# Altium PCB InsaneKeyboard.PcbDoc (part 2 of 3) (continued)
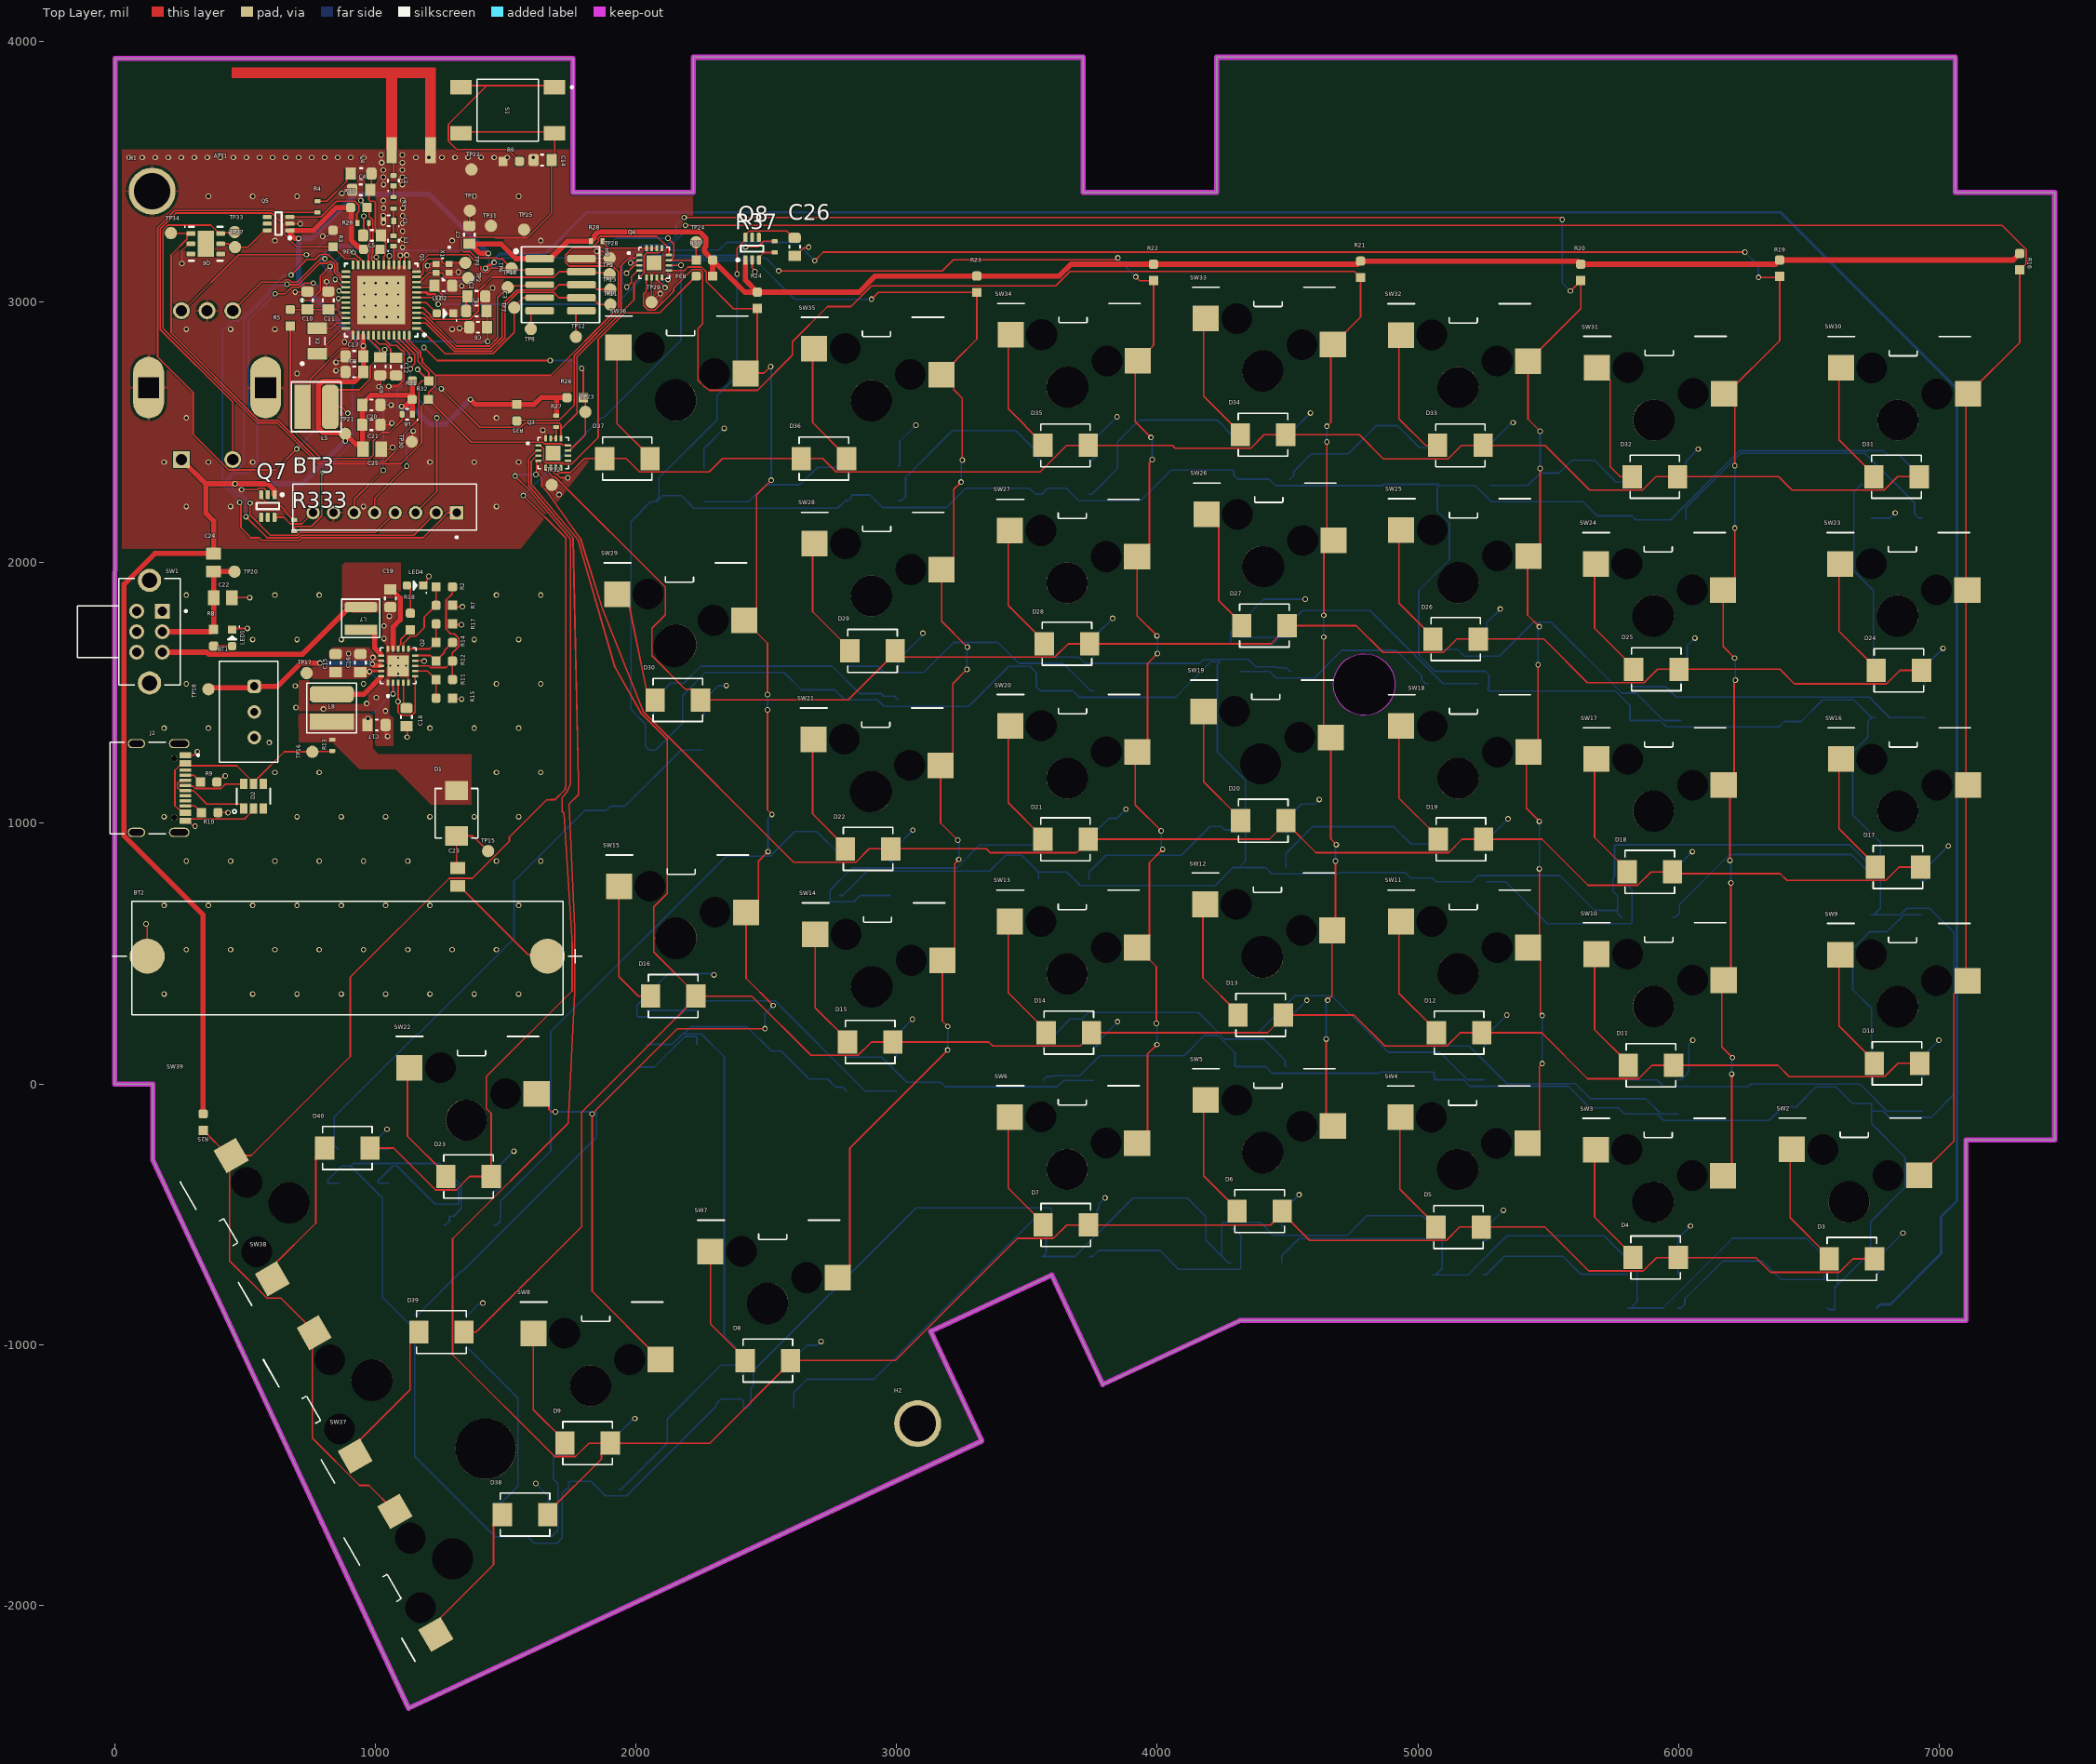
[diagram p0: Top Layer view]
## Nets (pads, with @x,y where several pads share a name; then routed paths per layer and width w, separated by ;. In a path a pad name is that pad's centre, name@x,y a point inside that pad or via, vN(x,y) a via of type N, cw(c..) or ccw(c..) an arc to the next point about the centre after c; other vN are vias at no path point) (continued)
  other v2: 190,345 530,345 700,345 870,345 1040,345 1210,345 1380,345 1550,345 275,515 445,515 615,515 785,515 955,515 1125,515 1295,515 1465,515 190,685 360,685 530,685 700,685 870,685 1040,685 1210,685 1550,685 275,855 445,855 615,855 785,855 955,855 1125,855 1465,855 1635,855 190,1025 700,1025 870,1025 1040,1025 1210,1025 1380,1025 1550,1025 615,1195 785,1195 1465,1195 1635,1195 190,1365 360,1365 1210,1365 1380,1365 1550,1365 275,1535 955,1535 1465,1535 1635,1535 530,1705 700,1705 870,1705 1380,1705 1550,1705 275,1875 615,1875 785,1875 1465,1875 1635,1875 275,2215 445,2215 955,2215 1465,2215 190,2385 360,2385 530,2385 700,2385 1210,2385 1380,2385 1550,2385 275,2555 1465,2555 700,2725 275,2895 445,2895 615,2895 1295,2895 615,3235 1295,3235 1635,3235 360,3405 530,3405 700,3405 1380,3405 1550,3405
  other v5: 957.8,2942.14 1001.11,2942.14 1044.42,2942.14 1087.72,2942.14 957.8,2985.45 1001.11,2985.45 1044.42,2985.45 1087.72,2985.45 957.8,3028.76 1001.11,3028.76 1044.42,3028.76 1087.72,3028.76 957.8,3072.06 1001.11,3072.06 1044.42,3072.06 1087.72,3072.06
  other v7: 1025,3534
HFXTAL_N: Q1.10 TP2.1 X1.3 | length 226.4
  Top Layer w6: Q1.10@1158,3076 1169.81,3076 1205.81,3112 1256.4,3112 1262.05,3106.35 1262.05,3099.15 1268.58,3092.62 1356.38,3092.62 TP2.1@1357,3092
HFXTAL_P: Q1.11 TP3.1 X1.1 | length 251.6
  Top Layer w6: Q1.11@1158,3095.68 1169.81,3095.68 1183.5,3109.37 1183.5,3146.25 1201.75,3164.5 1250.3,3164.5 1255.95,3158.85 1255.95,3151.65 1261.6,3146 X1.1@1284.1,3146 1288.1,3150 TP3.1@1346,3150
IO_COL_P0: Q4.2 R16.1 SW2.2 SW9.2 SW16.2 SW23.2 SW30.2 | length 9247.6
  Top Layer w6: v1(1979.22,3149.97) 1979.41,3150.16 1997.13,3150.16 2006.81,3159.84 Q4.2@2013.5,3159.84 ; v1(2190,3293.31) 7241.33,3293.31 7333.72,3200.92 7333.72,3147.22 R16.1@7309,3122.5 7309,2844.08 SW30.2@7111.92,2647 ; SW2.2@6922.94,-351 6923.92,-351 6981.17,-293.75 6982.06,-293.75 7056.17,-219.64 7056.17,344.83 7056.78,344.83 7107.95,396 SW9.2@7108.94,396 7103.36,401.57 7103.36,1138.43 SW16.2@7110.94,1146 7103.36,1153.57 SW23.2@7103.36,1890.43 ; SW30.2@7110.94,2647 7103.36,2639.43 7103.36,1899.57 SW23.2@7107.94,1895 ; SW23.2@7103.36,1890.43 SW23.2@7107.94,1895 ; SW23.2@7103.36,1890.43 SW23.2@7107.94,1895
  Bottom Layer w6: v1(1979.22,3149.97) 2037.75,3208.5 2126.08,3208.5 2190,3272.42 v1(2190,3293.31)
  other v1: 1979.22,3149.97 1979.22,3149.97 2190,3293.31 2190,3293.31
IO_COL_P1: Q4.3 R19.1 SW3.2 SW10.2 SW17.2 SW24.2 SW31.2 | length 8326.8
  Top Layer w6: v1(1964,3110) 1994.16,3140.16 Q4.3@2013.5,3140.16 ; v1(2686,3158) 2719,3191 v1(6254.52,3191) ; SW3.2@6170.94,-352 6204,-318.94 v1(6204,38) ; SW31.2@6174.94,2648 6179.44,2643.5 6216,2606.94 v1(6216,2372) ; SW31.2@6178.92,2642 6388,2851.08 R19.1@6388,3097.5 6384.5,3094 v1(6307,3094) ; v1(6197,857) 6197,1121.94 SW17.2@6172.94,1146 6213.05,1186.12 v1@6213.05,1544.05 ; v1(6201,771) 6201,426.06 6165.86,390.92 6165.86,142.14 v1(6207,101) ; v1(6215,1634) 6170.94,1678.06 SW24.2@6170.94,1895 6216,1940.06 v1(6216,2132) ; v1@6213.05,1544.05 v1(6218,1549) v1@6213.05,1544.05
  Bottom Layer w6: v1(1964,3110) 2052.5,3198.5 2319,3198.5 2349,3228.5 2615.5,3228.5 v1(2686,3158) ; v1(6197,857) 6201,853 v1(6201,771) ; v1(6204,38) 6204,98 v1(6207,101) ; v1(6215,1634) 6218,1631 v1(6218,1549) ; v1(6216,2132) v1(6216,2372) ; v1(6254.52,3191) 6307,3138.52 v1(6307,3094)
  other v1: 6204,38 6204,38 6207,101 6207,101 6201,771 6201,771 6197,857 6197,857 6218,1549 6218,1549 6215,1634 6215,1634 6216,2132 6216,2132 6216,2372 6216,2372 6307,3094 6307,3094 1964,3110 1964,3110 2686,3158 2686,3158 6254.52,3191 6254.52,3191
IO_COL_P2: Q4.4 R20.1 SW4.2 SW11.2 SW18.2 SW25.2 SW32.2 | length 7791.7
  Top Layer w6: v1(1965,3057) 1982.5,3074.5 1982.5,3096.16 2006.81,3120.47 Q4.4@2013.5,3120.47 ; v1(2185,3324) 5546,3324 v1(5554,3316) ; SW4.2@5420.94,-228 5466.13,-182.8 5466.13,67.13 v1(5477,78) ; SW18.2@5423.37,1273 5461,1310.63 v1(5461,1608) ; SW18.2@5423.94,1273 5415.85,1264.92 5415.85,1057.15 v1(5466,1007) ; v1(5466,825) 5466,565.95 SW11.2@5422.93,522.88 5423.91,522.88 5470.12,476.66 5470.12,268.88 v1(5477,262) ; v1(5466,1754) 5420.94,1799.06 5420.94,2022 5469,2070.06 v1(5469,2361) ; v1(5469,2504) 5422.93,2550.07 SW32.2@5422.93,2772.89 5423.91,2772.89 5625,2973.98 R20.1@5625,3081.5 5585.5,3042 v1(5585,3042)
  Bottom Layer w6: v1(1965,3057) 1946.5,3075.5 1946.5,3142 2023,3218.5 2121.94,3218.5 2153.47,3250.03 2153.47,3292.47 v1(2185,3324) ; v1(5461,1608) 5461,1749 v1(5466,1754) ; v1(5466,825) v1(5466,1007) ; v1(5469,2361) v1(5469,2504) ; v1(5477,78) v1(5477,262) ; v1(5554,3316) 5554,3073 v1(5585,3042)
  other v1: 5477,78 5477,78 5477,262 5477,262 5466,825 5466,825 5466,1007 5466,1007 5461,1608 5461,1608 5466,1754 5466,1754 5469,2361 5469,2361 5469,2504 5469,2504 5585,3042 5585,3042 1965,3057 1965,3057 5554,3316 5554,3316 2185,3324 2185,3324
IO_COL_P3: Q4.5 R21.1 SW5.2 SW12.2 SW19.2 SW26.2 SW33.2 | length 7014.9
  Top Layer w6: Q4.5@2040.47,3093.5 2040.47,3041.05 2029.38,3029.96 2029.38,2986.32 2047.32,2968.38 2072.68,2968.38 2144.38,3040.07 2144.38,3052.02 2216.08,3123.72 2246.93,3123.72 2256.22,3114.43 2256.22,2916.17 2237.95,2897.9 2237.95,2699.64 2262.42,2675.17 2263.05,2675.17 2281.05,2660.95 2466.19,2660.95 2600.59,2795.35 2600.59,2847.9 2735,2982.3 2824.85,2982.3 2903.77,3061.22 3610.27,3061.22 3665.75,3116.71 4756.8,3116.71 R21.1@4780,3093.5 4780,2942.13 4732.09,2894.22 4732.09,2893.17 4674.92,2836 SW33.2@4673.94,2836 ; v1(4638.64,1714.36) 4638.64,1356.16 SW19.2@4665.85,1328.95 4665.85,939.15 v1(4687,918) ; v1(4639,1798) 4639,2047.06 SW26.2@4676.94,2085 ; v1(4648,172) 4648,-136.06 SW5.2@4673.94,-162 ; v1(4651,2463) 4651,2101.94 SW26.2@4671.94,2081 ; v1(4651,2523) 4665.85,2537.85 4665.85,2827.91 SW33.2@4673.94,2836 ; v1(4654,321) 4670.94,337.94 4670.94,588 4684,601.06 v1(4684,855)
  Bottom Layer w6: v1(4638.64,1714.36) 4638.64,1797.64 v1(4639,1798) ; v1(4648,172) 4648,315 v1(4654,321) ; v1(4651,2463) v1(4651,2523) ; v1(4684,855) 4684,915 v1(4687,918)
  other v1: 4648,172 4648,172 4654,321 4654,321 4684,855 4684,855 4687,918 4687,918 4638.64,1714.36 4638.64,1714.36 4639,1798 4639,1798 4651,2463 4651,2463 4651,2523 4651,2523
IO_COL_P4: Q4.7 R22.1 SW6.2 SW13.2 SW20.2 SW27.2 SW34.2 | length 5694.3
  Top Layer w6: Q4.7@2079.84,3093.5 2079.84,3086.81 2111.65,3055 v1(2112,3055) ; v1(2548,3119) 3175.5,3119 3218,3161.5 v1@3845.5,3161.5 ; v1(3918,3096) 3932.5,3081.5 R22.1@3986,3081.5 3986,2835.23 3983.54,2832.78 3983.54,2830.62 3926.92,2774 SW34.2@3925.35,2774 ; SW13.2@3922.92,522.88 SW13.2@3923.9,522.88 ; SW6.2@3922.94,-227 3963.04,-186.9 3963.04,115.04 v1(3999,151) ; SW34.2@3925.94,2774 3915.84,2763.9 3915.84,2540.16 v1(3976,2480) ; v1(3981,2395) 3970.11,2384.11 3970.11,2069.1 3923.9,2022.89 SW27.2@3922.92,2022.89 3922.92,1795.08 v1(3999,1719) ; v1(3997,232.16) 3997,449.78 SW13.2@3923.9,522.88 ; v1(4001,1651) 3963.04,1613.04 3963.04,1313.1 3915.84,1265.9 3915.84,1070.16 v1(4015,971) ; v1(4021,900) 3970.11,849.11 3970.11,569.09 SW13.2@3923.9,522.88
  Bottom Layer w6: v1(2112,3055) 2105.53,3061.47 2105.53,3112.42 2161.61,3168.5 2498.5,3168.5 v1(2548,3119) ; v1(3849.02,3169) 3849.02,3164.98 v1(3918,3096) ; v1(3976,2480) 3981,2475 v1(3981,2395) ; v1(3997,232.16) 3999,230.16 v1(3999,151) ; v1(3999,1719) 4001,1717 v1(4001,1651) ; v1(4015,971) 4015,906 v1(4021,900)
  other v1: 3999,151 3999,151 3997,232.16 3997,232.16 4021,900 4021,900 4015,971 4015,971 4001,1651 4001,1651 3999,1719 3999,1719 3981,2395 3981,2395 3976,2480 3976,2480 2112,3055 2112,3055 3918,3096 3918,3096 2548,3119 2548,3119 3849.02,3169 3849.02,3169
IO_COL_P5: Q4.8 R23.1 SW7.2 SW14.2 SW21.2 SW28.2 SW35.2 | length 5562.4
  Top Layer w6: Q4.8@2099.53,3093.5 2099.53,3088.09 2101.65,3085.97 v1(2123.03,3085.97) ; SW7.2@2773.94,-743 2774.92,-743 2821.13,-696.79 2821.13,-244.87 v1(3196,130) ; v1(2904,3010) 2930.5,3036.5 R23.1@3308,3036.5 3308,2857.14 3230.09,2779.23 3230.09,2778.17 SW35.2@3172.92,2721 ; v1(3196.45,220.55) 3175.94,241.06 SW14.2@3175.94,474 3176.92,474 3223.13,520.21 3223.13,845.13 v1(3239,861) ; v1(3235,935) 3168.94,1001.06 SW21.2@3168.94,1222 3169.92,1222 3216.13,1268.21 3216.13,1536.13 v1(3270,1590) ; v1(3248,2309) 3220.11,2281.11 3220.11,2019.1 3173.9,1972.89 SW28.2@3172.91,1972.89 3172.91,1775.09 v1(3272,1676) ; v1(3252,2393) 3252,2630.78 3219.13,2663.65 3219.13,2674.79 SW35.2@3172.92,2721 ; SW35.2@3172.92,2721 SW35.2@3171.94,2721 SW35.2@3172.92,2721
  Bottom Layer w6: v1(2123.03,3085.97) 2123.03,3115.78 2165.75,3158.5 2460.63,3158.5 2609.13,3010 v1(2904,3010) ; v1(3196,130) 3196,220.09 v1(3196.45,220.55) ; v1(3235,935) 3239,931 v1(3239,861) ; v1(3248,2309) 3248,2389 v1(3252,2393) ; v1(3270,1590) 3270,1674 v1(3272,1676)
  other v1: 3196,130 3196,130 3196.45,220.55 3196.45,220.55 3239,861 3239,861 3235,935 3235,935 3270,1590 3270,1590 3272,1676 3272,1676 3248,2309 3248,2309 3252,2393 3252,2393 2904,3010 2904,3010 2123.03,3085.97 2123.03,3085.97
IO_COL_P6: Q4.9 R24.1 SW8.2 SW15.2 SW22.2 SW29.2 SW36.2 | length 5634
  Top Layer w6: SW22.2@1618.7,-37.83 1619.68,-37.83 1665.9,-84.04 1665.9,-97.95 1674.95,-107 v1(1691,-107) ; SW8.2@2094.82,-1057.07 2093.83,-1057.07 1832,-795.24 v1(1832,-115) 2159,212 v1(2495,212) ; Q4.9@2126.5,3120.47 2186.57,3120.47 2199.81,3133.72 2251.07,3133.72 2269.78,3115.01 2269.78,3078.38 2373.66,2974.5 R24.1@2466,2974.5 2466,2770.06 SW36.2@2422.94,2727 ; SW29.2@2415.83,1778.55 SW29.2@2416.81,1778.55 ; SW36.2@2420.94,2725 SW36.2@2422.94,2727 ; v1(2505,1435) 2505,1051 v1(2522,1034) ; v1(2505,1494) 2505,1690.37 SW29.2@2416.81,1778.55 ; v1(2507,891) 2470.13,854.13 2470.13,704.21 2423.92,658 SW15.2@2422.94,658 2422.94,405.06 v1(2527,301) ; v1(2517,2752) 2492,2727 SW36.2@2422.94,2727 ; v1(2519,2316) 2463.03,2260.03 2463.03,1824.76 SW29.2@2416.81,1778.55
  Bottom Layer w6: v1(1691,-107) 1824,-107 v1(1832,-115) ; v1(2495,212) 2495,269 v1(2527,301) ; v1(2505,1435) v1(2505,1494) ; v1(2507,891) 2507,1019 v1(2522,1034) ; v1(2517,2752) 2519,2750 v1(2519,2316)
  other v1: 1832,-115 1832,-115 1691,-107 1691,-107 2495,212 2495,212 2527,301 2527,301 2507,891 2507,891 2522,1034 2522,1034 2505,1435 2505,1435 2505,1494 2505,1494 2519,2316 2519,2316 2517,2752 2517,2752
IO_COL_P7: Q4.10 R25.1 SW37.2 SW38.2 SW39.2 | length 6262.9
  Top Layer w6: R25.1@340,-177.99 436.5,-274.49 444.87,-274.49 524.38,-274.49 904.27,105.4 904.27,409.3 1284.16,789.19 1372.49,789.19 1514.3,931 1514.3,946.8 1656.11,1088.6 1673.45,1090.16 1688.94,1090.16 1728.46,1129.69 1730.87,1147.57 1730.87,2094.13 v1(1568,2257) ; SW39.2@444.87,-277.28 441.08,-281.07 441.08,-678.58 584.58,-822.08 638.25,-822.08 765.53,-949.36 SW38.2@765.53,-955 758.94,-961.58 758.94,-1359.09 939.83,-1539.97 975.75,-1539.97 SW37.2@1075.13,-1639.35 ; Q4.10@2126.5,3140.16 2126.92,3140.58 2172.58,3140.58 v1(2173,3141)
  Bottom Layer w6: v1(1568,2257) 1865.79,2554.79 1875.21,2554.79 2173,2852.58 v1(2173,3141)
IO_ROW_P0: D3.1 D4.1 D5.1 D6.1 D7.1 D8.1 D9.1 D38.1 Q3.2 | length 10340.1
  Top Layer w6: Q3.2@1626.5,2429.84 1619.81,2429.84 1588.5,2398.53 1588.5,2294.64 1597.69,2285.45 1759,2094.28 1779.12,1163.27 1779.12,1109.49 1744.11,1074.48 1744.11,1071.86 1765.36,597.71 1765.36,597.58 1765.36,353.16 1740.55,-150.85 1738.89,-152.51 1297,-594.4 1297,-1038.4 1688.1,-1429.5 1767.9,-1429.5 1819.4,-1378 D9.1@1902,-1378 ; D38.1@1662,-1652 1662,-1644.5 1868,-1438.5 1868,-1412 D9.1@1902,-1378 ; D6.1@4480,-488 D6.1@4480,-495.5 ; D3.1@6752,-671 6669.4,-671 6617.9,-722.5 6353.7,-722.5 6297.2,-666 5916.4,-666 5864.9,-717.5 5655.2,-717.5 5486.7,-549 5160.4,-549 5108.9,-600.5 4585,-600.5 D6.1@4480,-495.5 ; D9.1@1902,-1378 2283.5,-1378 2593,-1068.5 D8.1@2593,-1061 2995.48,-1061 3463.98,-592.5 3601.9,-592.5 3653.4,-541 4434.5,-541 D6.1@4480,-495.5
IO_ROW_P1: D10.1 D11.1 D12.1 D13.1 D14.1 D15.1 D16.1 D39.1 Q3.3 | length 9095.6
  Top Layer w6: D39.1@1341,-952 1387,-952 1791.5,-547.5 1791.5,-109 2230,329.5 D16.1@2230,337 ; Q3.3@1626.5,2410.16 1619.81,2410.16 1598.5,2388.85 1598.5,2298.78 1607.69,2289.59 1776.71,2089.29 1777.53,2088.31 1919.81,1598.19 1920.16,1597.58 2020,1421.46 2120.06,1321.4 2120.06,730.64 2068.23,678.81 2068.23,506.27 2230,344.5 D16.1@2230,337 ; D10.1@6925,79 6842.4,79 6790.9,27.5 6424.99,27.5 6380.96,71.53 5898.45,71.53 5846.95,20.03 5651.25,20.03 5474.75,196.53 5162.45,196.53 5110.95,145.03 4874.25,145.03 4754.75,264.53 D13.1@4484.05,264.53 4484.05,257.03 4423.55,196.53 D14.1@3748.05,196.53 3748.05,189.03 3704.05,145.03 3370.01,145.03 3354.04,161 2903.4,161 2851.9,109.5 2671.7,109.5 2444.2,337 D16.1@2230,337
IO_ROW_P2: D17.1 D18.1 D19.1 D20.1 D21.1 D22.1 D23.1 D40.1 Q3.4 | length 10050.5
  Top Layer w6: D40.1@980,-246 1070.6,-246 1231.1,-406.5 1310.9,-406.5 1362.4,-355 D23.1@1445,-355 1445,-112.6 1426.63,-94.23 1426.63,28.57 1755.36,357.3 1755.36,540.32 ccw(c1609.96,540.32) 1754.15,559.07 1754.12,559.27 1754.11,559.47 1724.2,1038.25 1717.41,1045.03 1717.41,1097.35 1738.46,1125.55 1749,1151.55 1749,2090.14 1587.69,2281.31 v1(1537,2332) ; v1(1616,2338) 1618.97,2340.97 1618.97,2388.35 1621.09,2390.47 Q3.4@1626.5,2390.47 ; 1626.5,2338 1639.28,2325.22 1639.28,2293.01 1652.06,2280.23 1777.89,2103.68 1778.84,2102.31 1786.42,2093.57 1787.53,2091.97 1870.76,1826.44 2030,1425.6 2030.57,1425.03 2605.1,850.5 2843.9,850.5 2895.4,902 D22.1@2978,902 3344.04,902 3359.01,887.03 3691.05,887.03 3735.05,931.03 D21.1@3735.05,938.53 4430.55,938.53 D20.1@4494.05,1002.03 ; D20.1@4494.05,1009.53 D20.1@4494.05,1002.03 ; D17.1@6929,832 6846.4,832 6794.9,780.5 6416.22,780.5 6389.72,807 5983.58,807 D18.1@5977.05,813.53 5894.45,813.53 5842.95,762.03 5652.75,762.03 5476.25,938.53 5169.45,938.53 5117.95,887.03 4609.05,887.03 D20.1@4494.05,1002.03
  Bottom Layer w6: v1(1537,2332) 1543,2338 v1(1616,2338)
  other v1: 1537,2332 1537,2332 1616,2338 1616,2338
IO_ROW_P3: D24.1 D25.1 D26.1 D27.1 D28.1 D29.1 D30.1 Q3.5 | length 6229.2
  Top Layer w6: Q3.5@1653.47,2363.5 1653.47,2356.81 1681.66,2328.62 1690.24,2328.62 2112.95,1905.91 2112.95,1799.98 2061.15,1748.18 2061.15,1642.25 2188.9,1514.5 2214,1514.5 2248,1480.5 D30.1@2248,1473 2814.5,1473 2995,1653.5 D29.1@2995,1661 3018.97,1637.03 3606.95,1637.03 3658.45,1688.53 4436.03,1688.53 4498,1750.5 D27.1@4498,1758 4763.49,1758 4866.46,1655.03 5097.95,1655.03 5149.45,1706.53 5483.25,1706.53 5650.75,1539.03 5867.95,1539.03 5919.45,1590.53 6389.25,1590.53 6444.75,1535.03 6797.95,1535.03 6849.45,1586.53 D24.1@6932.05,1586.53
IO_ROW_P4: D31.1 D32.1 D33.1 D34.1 D35.1 D36.1 D37.1 Q3.7 | length 5591
  Top Layer w6: Q3.7@1692.84,2363.5 1692.84,2356.81 1704.96,2344.69 1748.33,2344.69 1802.63,2399 1962.6,2399 2014.1,2347.5 2281.3,2347.5 2332.8,2399 2716.6,2399 2768.1,2347.5 3550.42,2347.5 3652.45,2449.53 4058.75,2449.53 4069.25,2439.03 4358.95,2439.03 4410.45,2490.53 4775.25,2490.53 4867.75,2398.03 5115.95,2398.03 5167.45,2449.53 5487.25,2449.53 5658.75,2278.03 5861.95,2278.03 5913.45,2329.53 6383.75,2329.53 6435.25,2278.03 6788.95,2278.03 6840.45,2329.53 D31.1@6923.05,2329.53
IO_ROW_P5: Q3.8
IO_ROW_P6: Q3.9
IO_ROW_P7: Q3.10
LED_PWR: C26.2 LED5.1-VDD LED6.1-VDD LED7.1-VDD LED8.1-VDD LED9.1-VDD LED10.1-VDD LED11.1-VDD LED12.1-VDD LED13.1-VDD LED14.1-VDD LED15.1-VDD LED16.1-VDD LED17.1-VDD LED18.1-VDD LED19.1-VDD LED20.1-VDD LED21.1-VDD LED22.1-VDD LED23.1-VDD LED24.1-VDD LED25.1-VDD LED26.1-VDD LED27.1-VDD LED28.1-VDD LED29.1-VDD LED30.1-VDD LED31.1-VDD LED32.1-VDD LED33.1-VDD LED34.1-VDD LED35.1-VDD LED36.1-VDD LED37.1-VDD LED38.1-VDD LED39.1-VDD LED40.1-VDD LED41.1-VDD LED.1-VDD Q8.6 | length 38309.2
  Top Layer w6: v6(2388,3107) 2388,3205.06 2420.41,3237.46 2420.41,3257.15 2435.28,3272.02 2578.49,3272.02 2605.06,3245.45 C26.2@2609,3245.45
  Bottom Layer w6: LED27.1-VDD@859.54,-380.96 821.02,-380.96 817.5,-377.45 817.5,-369.41 871.95,-314.96 905.48,-314.96 ; LED26.1-VDD@1261.54,-541.96 1269.37,-541.96 1284.09,-527.24 1284.09,-510.76 1287.6,-507.24 1300.79,-507.24 1330.33,-477.7 1330.33,-387.68 1247.61,-304.96 915.48,-304.96 905.48,-314.96 ; LED10.1-VDD@1739.54,-1554.96 1731.7,-1554.96 1716.98,-1569.68 1716.98,-1741.58 1696.88,-1761.68 1609.84,-1761.68 1585.12,-1736.96 1459.73,-1736.96 1151.54,-1428.77 LED19.1-VDD@1151.54,-1014.96 1151.54,-942.18 1028.51,-819.15 1028.51,-437.99 905.48,-314.96 ; LED10.1-VDD@1741.54,-1554.96 1741.54,-1528.24 1745.06,-1524.73 1827.5,-1524.73 1882.45,-1579.68 1964.88,-1579.68 2307.66,-1236.91 2307.66,-1228.04 2326.73,-1208.96 2404.26,-1208.96 2412.54,-1217.24 2412.54,-1241.96 LED9.1-VDD@2414.54,-1243.96 2426.35,-1243.96 2441.07,-1229.24 2441.07,-1166.33 2451.07,-1156.33 2451.07,-1091.45 ; LED18.1-VDD@2040.54,152.04 2138.6,152.04 2178.84,192.27 2250.37,192.27 2338.94,103.69 2338.94,-965.27 2451.07,-1077.39 2451.07,-1091.45 ; 2186.31,195.04 2211.03,219.76 2425.52,219.76 2519.52,125.76 2557.98,125.76 2664.98,18.76 2735.75,18.76 2766.75,-12.24 2792.83,-12.24 LED17.1-VDD@2807.54,-26.96 ; v6(2388,3107) 2388,2717.58 2310.85,2640.43 2310.85,2548.12 2088.19,2325.47 2088.19,2247.76 LED41.1-VDD@2073.48,2233.04 ; LED25.1-VDD@2781.54,723.04 2793.35,723.04 2886.64,816.32 3357.65,816.32 3418.41,877.08 3480.22,877.08 3544.54,812.76 LED24.1-VDD@3544.54,786.04 ; 3546,812.76 3653.6,812.76 3705.03,761.32 4222.02,761.32 4290.73,830.04 LED23.1-VDD@4302.54,830.04 LED23.1-VDD@4314.35,830.04 ; LED16.1-VDD@3561.54,14.04 3576.26,28.76 3600.79,28.76 3603.07,31.04 3702.31,31.04 3779.81,108.54 4103.06,108.54 4180.56,186.04 4232.26,186.04 4298.54,119.76 4298.54,70.04 LED15.1-VDD@4302.54,66.04 4416.12,66.04 4440.84,41.32 4851.91,41.32 4856.35,45.76 5058.83,45.76 5062.34,42.24 5062.34,27.24 LED14.1-VDD@5073.54,16.04 ; LED7.1-VDD@4284.54,-685.96 4272.73,-685.96 4248.02,-661.24 ; LED31.1-VDD@4318.54,1582.04 4432.12,1582.04 4456.84,1557.32 4602.25,1557.32 4708.06,1663.13 4916.64,1663.13 5014.02,1565.76 5014.02,1550.76 5028.73,1536.04 LED30.1-VDD@5039.54,1536.04 ; LED6.1-VDD@5056.54,-731.96 LED6.1-VDD@5068.35,-731.96 ; LED14.1-VDD@5061.54,16.04 LED14.1-VDD@5073.54,16.04 ; 5766.02,666.04 5766.02,654.76 5780.73,640.04 LED21.1-VDD@5784.54,640.04 ; LED5.1-VDD@5804.54,-859.96 LED5.1-VDD@5816.35,-859.96 ; LED.1-VDD@6568.54,-857.96 6575.83,-865.24 6600.07,-865.24 6600.07,-780.66 6610.07,-770.66 ; LED20.1-VDD@6737.54,649.04 LED20.1-VDD@6749.35,649.04 ; LED28.1-VDD@6752.54,1405.04 LED28.1-VDD@6740.73,1405.04 ; LED35.1-VDD@6932.46,2299.96 6932.46,2326.68 6847.03,2412.1 6802.69,2412.1 6786.11,2428.68 6233.79,2428.68 5969.15,2164.04 LED36.1-VDD@5835.54,2164.04 5820.83,2178.76 5687.55,2178.76 5633.06,2233.24 5282.11,2233.24 5219.31,2296.04 LED37.1-VDD@5083.54,2296.04 ; LED41.1-VDD@2073.48,2233.04 2080.35,2233.04 2103.56,2256.24 2174.76,2256.24 2222.68,2208.32 2774.02,2208.32 2803.73,2238.04 LED40.1-VDD@2815.54,2238.04 2827.56,2250.05 2827.56,2259.24 2898.76,2259.24 2946.68,2211.32 3191.15,2211.32 3265.06,2285.24 3509.53,2285.24 3532.73,2262.04 3556.35,2262.04 3579.56,2285.24 3650.76,2285.24 3698.68,2237.32 3935.88,2237.32 4053.83,2355.27 4291.03,2355.27 4294.54,2351.76 4294.54,2334.76 4309.26,2320.04 4429.12,2320.04 4453.84,2295.32 4864.12,2295.32 4869.12,2300.32 5079.26,2300.32 LED37.1-VDD@5083.54,2296.04 ; LED41.1-VDD@2073.48,2233.04 LED41.1-VDD@2068.54,2233.04 2056.73,2233.04 1980.84,2157.15 1980.84,1436.52 2037.02,1380.34 2037.02,1295.76 2051.73,1281.04 LED34.1-VDD@2063.54,1281.04 2075.35,1281.04 2178.87,1384.56 2178.87,1489.24 2267.68,1578.04 2568.86,1578.04 2635.15,1511.76 2763.02,1511.76 2801.73,1473.04 2927.12,1473.04 2951.84,1448.32 3277.32,1448.32 3430.31,1601.31 3511.99,1601.31 3536.56,1576.74 3536.56,1522.8 3551.28,1508.08 3676.66,1508.08 3701.38,1483.36 4070.18,1483.36 4205.88,1619.07 4240.76,1619.07 4230.85,1609.16 4230.85,1272.96 4339.07,1164.75 4339.07,854.76 LED23.1-VDD@4314.35,830.04 ; 2451.07,-1091.45 2452.59,-1092.97 2457.56,-1092.97 3075.2,-475.32 3589.97,-475.32 3594.07,-479.42 3594.07,-560 3574.07,-580 3574.07,-647.24 3559.35,-661.96 3683.31,-661.96 3906.95,-438.32 4115.88,-438.32 4186.95,-509.39 4186.95,-600.18 4248.02,-661.24 ; 4248.02,-661.24 4248.02,-535.42 4252.12,-531.32 4395.6,-531.32 4445.03,-580.76 4730.31,-580.76 4804.74,-506.32 5017.97,-506.32 5093.07,-581.42 5093.07,-707.24 LED6.1-VDD@5068.35,-731.96 ; LED23.1-VDD@4314.35,830.04 4416.12,830.04 4440.84,805.32 4692.85,805.32 4698.34,810.81 4950.36,810.81 4971.41,789.76 5055.83,789.76 LED22.1-VDD@5070.54,775.04 5206.31,775.04 5231.03,799.76 5544.26,799.76 5677.98,666.04 5762.5,666.04 5766.02,669.55 5766.02,721.07 5748.02,739.07 5748.02,790.58 5754.6,797.16 5754.6,914.16 5758.12,917.68 6655.97,917.68 6774.07,799.58 ; LED6.1-VDD@5068.35,-731.96 5192.31,-731.96 5341.95,-582.32 5713.97,-582.32 5841.07,-709.42 5841.07,-835.24 LED5.1-VDD@5816.35,-859.96 ; LED14.1-VDD@5073.54,16.04 5175.12,16.04 5199.84,-8.68 5576.44,-8.68 5659.01,-91.24 5770.83,-91.24 5770.83,-93.05 5792.73,-114.96 5918.12,-114.96 5942.84,-139.68 6347.45,-139.68 6399.45,-87.68 6450.86,-87.68 6527.58,-10.96 6604.15,-10.96 6668.44,-75.24 6740.83,-75.24 6740.83,-102.24 LED12.1-VDD@6742.54,-103.96 ; LED37.1-VDD@5083.54,2296.04 5074.54,2287.04 5074.54,2198.87 5121.06,2152.36 5121.06,2011.52 5003.02,1893.48 5003.02,1645.34 5065.36,1583 5258.64,1583 5272.98,1568.66 5272.98,1527.42 5268.98,1523.42 5268.98,1510.55 5272.5,1507.04 5758.26,1507.04 5813.54,1451.76 5813.54,1396.04 LED29.1-VDD@5815.54,1394.04 5929.12,1394.04 5953.84,1369.32 6384.84,1369.32 6405.84,1390.32 6469.9,1390.32 6553.28,1473.7 6672.07,1473.7 LED28.1-VDD@6740.73,1405.04 ; LED5.1-VDD@5816.35,-859.96 5940.31,-859.96 6208.1,-592.18 6489.82,-592.18 6610.07,-712.42 6610.07,-770.66 ; 6610.07,-770.66 6736.72,-644.01 6736.72,-528.39 6870.06,-395.06 6870.06,-282.2 6740.54,-152.68 6740.54,-105.96 LED12.1-VDD@6742.54,-103.96 ; LED28.1-VDD@6740.73,1405.04 6726.02,1390.32 6726.02,1330.83 6668.37,1273.18 6668.37,1032.22 6774.07,926.52 6774.07,799.58 ; LED12.1-VDD@6742.54,-103.96 6785.54,-103.96 6810.26,-128.68 6967.88,-128.68 7056.06,-40.51 7056.06,580.58 6962.88,673.76 6875.84,673.76 6851.12,649.04 LED20.1-VDD@6749.35,649.04 ; LED20.1-VDD@6749.35,649.04 6774.07,673.76 6774.07,799.58
  other v2: 2388,3107
  other v3: 2388,3107
NetATT1_0: ATT1.FEED L2.2 | length 92.3
  Top Layer w6: L2.2@1069.92,3484.68 ATT1.FEED@1069.92,3577
NetBT2_P: BT2.P C23.2 | length 456.3
  Top Layer w6: C23.2@1316,759.35 1322.1,759.35 1584.79,496.67 1654.05,496.67 BT2.P@1660.72,490
NetC1_1: C1.1 L1.2 R1.1 | length 105.3
  Top Layer w6: L1.2@1069.92,3253.68 1069.92,3310.23 C1.1@1070.69,3311 1070,3311.69 R1.1@1070,3358.35
NetC2_1: C2.1 C3.1 L3.2 Q1.9 | length 271.3
  Top Layer w6: Q1.9@1158,3056.31 1220.87,3056.31 C2.1@1226.55,3062 ; C2.1@1226.55,3058.06 1263.61,3021 C3.1@1353.55,3021 1348.63,3016.08 L3.2@1348.63,2965
NetC4_1: C4.1 C5.1 L4.2 Q1.18 | length 403.4
  Top Layer w6: C4.1@980.45,3430 975.45,3425 975.45,3391.38 980.1,3386.72 996.11,3386.72 1000.76,3382.07 1000.76,3269.69 1007.76,3269.69 C5.1@1022.45,3255 1017.45,3250 1017.45,3249.06 1041.21,3225.3 1041.21,3195.09 1036.82,3190.69 1036.82,3177.99 1032.61,3173.78 Q1.18@1032.61,3142.34 ; C4.1@982.45,3428 985.37,3430.92 L4.2@985.37,3492
NetC10_1: C10.1 C11.1 Q1.34 R5.2 | length 233.2
  Top Layer w6: R5.2@674,2970.5 739.94,2970.5 C10.1@740,2970.55 819.45,2970.55 C11.1@820,2971.1 852.62,2971.1 863.11,2960.62 863.11,2950.81 875.72,2938.2 Q1.34@887.53,2938.2
NetC12_1: C12.1 Q1.41 | length 138
  Top Layer w6: Q1.41@993.24,2871.87 993.24,2860.05 1015.1,2838.19 1039.63,2838.19 1059.38,2818.44 1059.38,2803.13 1076.06,2786.45 C12.1@1080,2786.45
NetC17_1: C17.1 D1.1 L8.1 Q2.2 R13.1 | length 178.6
  Top Layer w6: Q2.2@1068.31,1539.04 1068.41,1538.95 1068.41,1496.09 v1(1068.5,1496)
  Bottom Layer w6: v1(972,1402) 1066,1496 v1(1068.5,1496)
  other v1: 972,1402 972,1402 1068.5,1496 1068.5,1496
NetC18_2: C18.2 Q2.4 | length 102.7
  Top Layer w6: Q2.4@1107.68,1539.04 1108.4,1538.32 1108.4,1452.86 C18.2@1119.9,1441.36
NetC23_1: C23.1 D1.2 TP15.1 | length 269
  Top Layer w6: C23.1@1316,828.65 1312,832.65 D1.2@1312,951 1375,951 TP15.1@1433,893
NetD3_2: D3.2 SW2.1 | length 485.1
  Top Layer w6: SW2.1@6435.06,-251 6427.99,-258.07 6427.99,-513.49 6578,-663.5 D3.2@6578,-671
NetD4_2: D4.2 SW3.1 | length 477
  Top Layer w6: SW3.1@5683.06,-252 5677.98,-257.08 5677.98,-511.48 5825,-658.5 D4.2@5825,-666
NetD5_2: D5.2 SW4.1 | length 479
  Top Layer w6: SW4.1@4933.06,-128 4931.06,-130 4931.06,-403.56 5069,-541.5 D5.2@5069,-549
NetD6_2: D6.2 SW5.1 | length 482.4
  Top Layer w6: SW5.1@4186.06,-62 4177.97,-70.09 4177.97,-352.47 4306,-480.5 D6.2@4306,-488
NetD7_2: D7.2 SW6.1 | length 472.5
  Top Layer w6: SW6.1@3435.06,-127 3427.97,-134.1 3427.97,-399.47 3562,-533.5 D7.2@3562,-541
NetD8_2: D8.2 SW7.1 | length 473.1
  Top Layer w6: SW7.1@2286.06,-643 2286.06,-920.56 2419,-1053.5 D8.2@2419,-1061
NetD9_2: D9.2 SW8.1 | length 471.1
  Top Layer w6: SW8.1@1606.94,-957.07 1606.94,-1249.44 1728,-1370.5 D9.2@1728,-1378
NetD10_2: D10.2 SW9.1 | length 475.4
  Top Layer w6: SW9.1@6621.06,496 6615.49,490.43 6615.49,222.01 6751,86.5 D10.2@6751,79
NetD11_2: D11.2 SW10.1 | length 482.9
  Top Layer w6: SW10.1@5685.06,498 5677.98,490.92 5677.98,208.09 5807.05,79.03 D11.2@5807.05,71.53
NetD12_2: D12.2 SW11.1 | length 488.5
  Top Layer w6: SW11.1@4935.05,622.88 4927.98,615.8 4927.98,347.1 5071.05,204.03 D12.2@5071.05,196.53
NetD13_2: D13.2 SW12.1 | length 484
  Top Layer w6: SW12.1@4184.06,689 4175.17,680.11 4175.17,406.9 4310.05,272.03 D13.2@4310.05,264.53
NetD14_2: D14.2 SW13.1 | length 489.8
  Top Layer w6: SW13.1@3435.04,622.88 3427.97,615.8 3427.97,350.11 3574.05,204.03 D14.2@3574.05,196.53
NetD15_2: D15.2 SW14.1 | length 464.3
  Top Layer w6: SW14.1@2688.06,574 2688.06,292.44 2812,168.5 D15.2@2812,161
NetD16_2: D16.2 SW15.1 | length 498
  Top Layer w6: SW15.1@1935.06,758 1935.06,411.94 2010,337 D16.2@2056,337
NetD17_2: D17.2 SW16.1 | length 474.9
  Top Layer w6: SW16.1@6623.06,1246 6615.49,1238.43 6615.49,979.01 6755,839.5 D17.2@6755,832
NetD18_2: D18.2 SW17.1 | length 487.2
  Top Layer w6: SW17.1@5685.06,1246 5677.98,1238.92 5677.98,946.09 5803.05,821.03 D18.2@5803.05,813.53
NetD19_2: D19.2 SW18.1 | length 500
  Top Layer w6: SW18.1@4936.06,1373 4927.98,1364.92 4927.98,1096.1 5078.05,946.03 D19.2@5078.05,938.53
NetD20_2: D20.2 SW19.1 | length 478.3
  Top Layer w6: SW19.1@4177.97,1428.95 4177.97,1159.1 4320.05,1017.03 D20.2@4320.05,1009.53
NetD21_2: D21.2 SW20.1 | length 493.9
  Top Layer w6: SW20.1@3436.06,1374 3427.97,1365.9 3427.97,1079.11 3561.05,946.03 D21.2@3561.05,938.53
NetD22_2: D22.2 SW21.1 | length 473.5
  Top Layer w6: SW21.1@2681.06,1322 2677.96,1318.9 2677.96,1035.54 2804,909.5 D22.2@2804,902